# Altium PCB NG2092.PcbDoc (part 3 of 5)
Units mm, origin at the board's own origin, x right, y up, seen from the top; angles counter-clockwise.
Board outline 60 x 45 mm, 6 copper layers (Top Layer, Inner Layer 1, Ground 1, Inner Layer 2, Ground 2, Bottom Layer), stack 1.599 mm thick; 265 components, 220 nets, 1303 pads, 742 vias.
Unrouted connection lines stored in the file: 5.
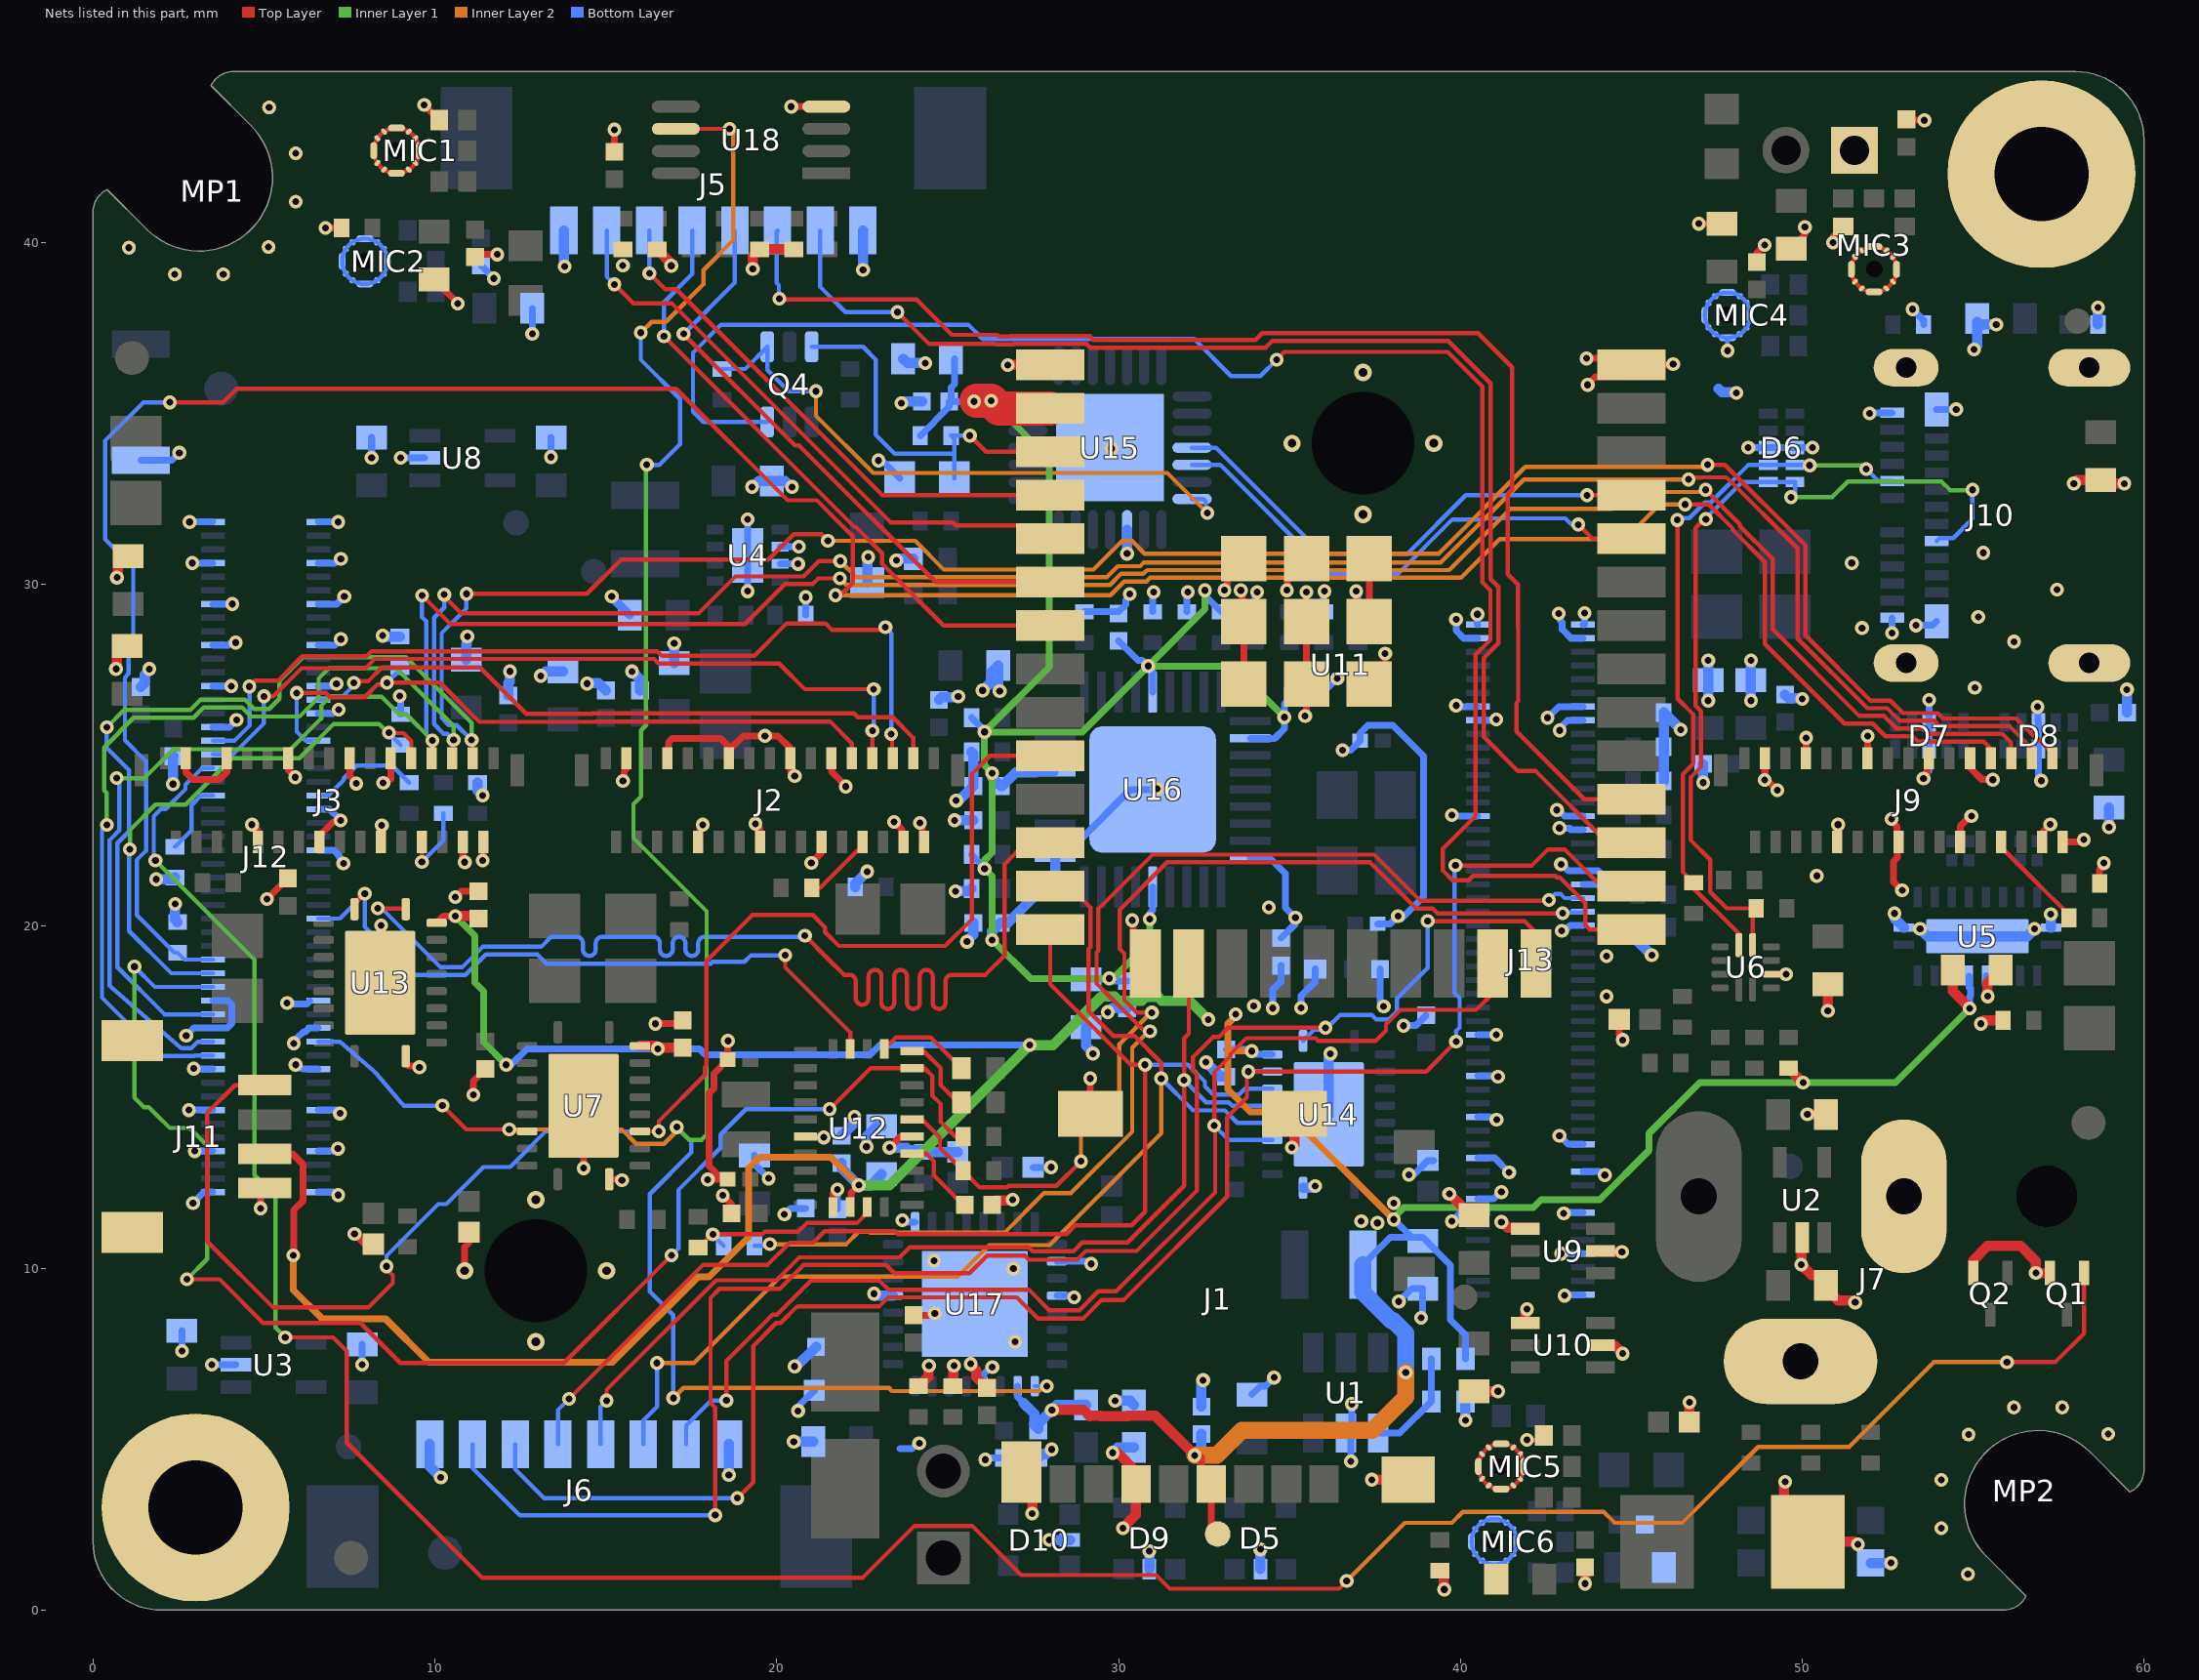
[diagram p7: the nets of this part, all layers, seen from the top]

## Via types
v1: diameter 0.406, hole 0.203, Top Layer to Bottom Layer, tented both sides, 734 vias
v2: diameter 0.508, hole 0.254, Top Layer to Bottom Layer, 8 vias

## Nets (pads, with @x,y where several pads share a name; then routed paths per layer and width w, separated by ;. In a path a pad name is that pad's centre, name@x,y a point inside that pad or via, vN(x,y) a via of type N, cw(c..) or ccw(c..) an arc to the next point about the centre after c; other vN are vias at no path point) (continued)
3V3: C16.1 C35.2 C42.2 C44.2 C49.2 C50.2 C53.2 C55.2 C56.2 C73.2 C79.2 C80.2 C81.2 C82.2 C83.2 C84.2 C85.2 C96.2 C97.2 J1.4 J11.3 L2.2 R5.2 R13.2 R41.2 R52.1 R54.1 R64.2 TP6.1 U5.6 U7.19 U11.2 U12.3 U13.19 U14.19 U16.5 U16.10 U16.15 U16.23 U16.29 U16.36 U17.10 | length 187.4
  Top Layer w0.2: J11.3@5.025,13.35 5.825,13.35 6.15,13.025 6.15,11.975 5.875,11.7 5.875,10.391 v1(5.859,10.375) ; U13.19@10.05,20.1 10.25,20.3 v1(10.6,20.3) ; U12.3@22.15,11.788 22.178,11.816 22.178,12.203 v1(22.4,12.425) ; v1@32.425,4.475 32.425,3.975 J1.4@32.712,3.688 32.712,2.413 TP6.1@32.9,2.225
  Top Layer w0.3: v1(10.6,20.3) 11.2,20.3 C49.2@11.275,20.225 ; U7.19@16,16.5 16.444,16.5 v1(16.525,16.419) 16.556,16.45 C53.2@17.25,16.45 ; v1(28.05,5.85) 28.975,5.85 29.15,5.675 29.15,5.678 29.465,5.678 29.475,5.668 30.271,5.668 30.281,5.678 31.077,5.678 v1(32.231,4.525) ; R13.2@49.6,15.85 v1(50.025,15.425) ; C35.2@54.4,18.725 54.4,18.101 v1(54.901,17.6)
  Top Layer w1: v1@25.85,35.375 v1(26.275,35.375) 26.502,35.147 U11.2@28,35.147
  Inner Layer 1 w0.2: v1(10.6,20.3) 11.175,19.725 11.175,18.35 11.425,18.1 11.425,16.613 v1(12.088,15.95) ; v1(26.275,35.375) 27.975,33.675 27.975,27.579 v1(26.081,25.685) ; v1(29.725,18.475) 27.425,18.475 v1(26.3,19.6) 26.3,21.466 v1(26.081,21.685) 26.081,21.931 26.3,22.15 26.3,24.475 v1(26.305,24.48) 26.081,24.704 v1(26.081,25.685) ; v1@29.84,18.475 30.915,19.55 v1(30.915,20.211) ; v1(32.529,29.825) 32.529,29.274 v1(30.867,27.612) ; v1(34.85,26.114) 33.352,27.612 v1(30.867,27.612) ; v1(38.05,11.425) 38.05,11.478 38.344,11.772 42.133,11.772 42.364,12.003 44.076,12.003 45.525,13.452 45.525,13.951 46.999,15.425 v1(50.025,15.425) 52.726,15.425 v1(54.901,17.6) ; v1(26.081,25.685) 28.94,25.685 v1(30.867,27.612)
  Inner Layer 1 w0.3: v1(22.4,12.425) 23.3,12.425 v1(27.4,16.525) 28.084,16.525 29.501,17.942 29.876,17.942 29.993,17.825 30.684,17.825 30.787,17.928 31.163,17.928 31.266,17.825 32.075,17.825 v1(32.625,17.275)
  Inner Layer 2 w0.2: v1(5.859,10.375) 5.859,9.366 6.7,8.525 8.55,8.525 9.825,7.25 15.2,7.25 17.7,9.75 18.025,9.75 19.175,10.9 19.175,12.925 19.5,13.25 21.575,13.25 v1(22.4,12.425) ; v1(33.425,17.425) 33.425,17.375 33.2,17.15 33.2,16.4 ; v1(33.9,16.35) 33.25,16.35 33.2,16.4 ; v1(38.05,11.425) 34.9,14.575 33.85,14.575 33.2,15.225 33.2,16.4
  Inner Layer 2 w0.5: v1(32.231,4.525) 32.875,4.525 33.6,5.25 37.425,5.25 38.4,6.225 v1(38.4,6.95)
  Bottom Layer w0.2: v1(12.088,15.95) 12.225,15.95 12.694,16.419 v1(16.525,16.419) 17.744,16.419 17.915,16.247 22.737,16.247 23.015,16.525 v1(27.4,16.525) ; R41.2@24.2,34.35 25.05,35.2 C55.2@25.05,35.35 ; C56.2@25.2,36.6 25.2,35.86 25.1,35.76 25.1,35.35 v1@25.825,35.35 ; R52.1@25.7,22.1 26.081,21.719 v1(26.081,21.685) ; R54.1@25.7,26.1 26.081,25.719 v1(26.081,25.685) ; U17.10@27.05,6.55 27.05,6.233 27.166,6.117 27.166,6.111 27.216,6.061 ; U16.15@27.575,24.5 U16.15@28.15,24.5 ; C79.2@29.05,18.45 v1@29.725,18.45 ; v1(29.725,18.475) 29.8,18.4 C80.2@30.25,18.4 ; C83.2@30,28.35 30.575,27.775 30.704,27.775 v1(30.867,27.612) 31,27.479 U16.23@31,26.85 ; v1(30.915,20.211) 30.915,20.385 31,20.47 U16.5@31,21.15 ; v1(32.529,29.825) 32.529,29.671 R64.2@33,29.2 ; C50.2@33.15,16.4 33.85,16.4 v1(33.9,16.35) 34,16.25 U14.19@34.5,16.25 ; U16.36@33.85,22 34.429,22 34.887,21.541 34.887,20.538 v1(35.175,20.25) 35.175,20.075 C81.2@34.75,19.65 ; U16.29@33.85,25.5 34.575,25.5 34.85,25.775 v1(34.85,26.114) 34.85,26.5 C82.2@35.1,26.75 ; L2.2@37.15,10.1 37.95,10.9 C16.1@38.575,10.9 ; v1(38.05,11.425) C16.1@38.575,10.9 ; R5.2@40.15,7.35 40.15,8.05 39.712,8.487 39.712,10.087 38.9,10.9 C16.1@38.575,10.9 ; U5.6@54.889,18.546 54.889,18.2 54.921,18.2 54.921,17.966 54.901,17.945 v1(54.901,17.6)
  Bottom Layer w0.3: C44.2@21.9,13.075 21.9,12.925 v1(22.4,12.425) 22.75,12.425 C42.2@23.075,12.75 ; v1(26.3,19.6) 26.3,19.85 C85.2@26.55,20.1 ; v1(26.305,24.48) 26.305,24.345 C84.2@26.55,24.1 ; C85.2@26.6,20.1 26.762,20.1 28.15,21.488 U16.10@28.15,22 ; C84.2@26.6,24.1 27,24.5 U16.15@27.575,24.5 ; 27.216,6.061 27.539,5.739 27.539,5.411 27.65,5.3 27.65,5.45 v1(28.05,5.85) 28.2,6 C96.2@29.05,6 ; v1(32.231,4.525) 32.231,4.554 32.425,4.748 C73.2@32.425,5.15
  Bottom Layer w0.5: L2.2@37.15,10.1 37.15,9.293 37.971,8.472 38.028,8.472 38.4,8.1 v1(38.4,6.95)
  other v1: 37.575,11.325 37.1,11.375 38.05,11.9 25.775,35.35
2485_PGOOD: J12.37 Q1.1 | length 82.9
  Top Layer w0.125: v1(5.622,7.975) 7.025,7.975 7.425,7.575 7.425,4.9 11.375,0.95 22.52,0.95 24.033,2.463 25.717,2.463 27.155,1.025 31.1,1.025 31.5,0.625 36.45,0.625 v1(36.675,0.85) ; v1(55.991,7.25) 57.4,7.25 58.25,8.1 Q1.1@58.25,9.86
  Inner Layer 1 w0.125: v1(1.825,21.925) 4.725,19.025 4.725,12.725 5.338,12.113 5.338,8.259 v1(5.622,7.975)
  Inner Layer 2 w0.125: v1(36.675,0.85) 38.375,2.55 39.75,2.55 40.075,2.875 44.192,2.875 44.517,2.55 46.489,2.55 48.712,4.773 51.373,4.773 53.85,7.25 v1(55.991,7.25)
  Bottom Layer w0.125: v1(1.825,21.925) 1.775,21.975 1.775,23.025 1.777,23.027 1.777,23.218 1.991,23.432 2.129,23.432 2.704,24.007 2.704,24.143 3.187,24.625 J12.37@3.51,24.625
2485_WAKEUP: J12.41 R67.2 | length 2.2
  Bottom Layer w0.125: R67.2@2.4,22.325 2.881,22.806 2.881,23.548 3.158,23.825 J12.41@3.51,23.825
BNO08x_BOOTN_1V8: J13.42 R36.1 | length 35.5
  Top Layer w0.125: v1(30.921,16.929) 30.766,16.929 29.818,17.876 29.806,17.876 29.359,18.324 29.359,19.233 29.412,19.287 29.412,20.512 30.997,22.097 37.478,22.097 38.834,20.741 42.566,20.741 v1(42.595,20.77)
  Inner Layer 2 w0.125: v1(19.8,10.7) 22.033,10.7 22.399,11.066 22.701,11.066 22.733,11.034 26.659,11.034 27.825,12.2 28.611,12.2 30.4,13.989 30.4,16.45 30.879,16.929 v1(30.921,16.929)
  Bottom Layer w0.125: R36.1@19.35,10.65 19.75,10.65 v1(19.8,10.7) ; v1(42.595,20.77) 42.775,20.95 42.925,20.95 43.05,20.825 J13.42@43.59,20.825
BNO08x_BOOTN_1V8_1: R35.1 R36.2 U12.4 | length 6
  Top Layer w0.125: R35.1@17.7,10.6 18.091,10.991 v1(18.131,10.991) 19.574,10.991 19.649,11.066 20.623,11.066 20.877,11.32 22.345,11.32 22.65,11.625 U12.4@22.65,11.788
  Bottom Layer w0.125: v1@18.131,10.969 R36.2@18.45,10.65
BNO08x_INT_1V8: J12.69 R30.1 U12.14 | length 43.2
  Top Layer w0.125: v1(2.75,9.675) 3.7,9.675 4.975,8.4 7.823,8.4 8.995,7.227 13.777,7.227 v1(16.925,10.375) ; v1(21.55,14.65) 22.75,15.85 U12.14@23.962,15.85 24.325,15.85 24.55,15.625 24.55,15.05 24.8,14.8 24.8,14.275 25.225,13.85 R30.1@25.45,13.85
  Inner Layer 1 w0.125: v1(1.212,18.819) 1.212,14.988 1.492,14.708 1.63,14.708 1.831,14.507 ; 1.833,14.507 1.869,14.47 2.25,14.1 2.302,14.1 2.825,14.1 3.341,13.584 3.341,10.266 v1(2.75,9.675)
  Bottom Layer w0.125: v1(1.212,18.819) 1.806,18.225 J12.69@3.51,18.225 ; v1(16.925,10.375) 17.125,10.575 17.125,12.285 18.36,13.52 18.36,13.91 19.1,14.65 v1(21.55,14.65)
BNO08x_RSTn_1V8: J13.44 R29.1 U12.11 | length 29.6
  Top Layer w0.125: U12.11@24.25,14.35 24.775,13.825 24.775,13.525 R29.1@25.45,12.85 25.937,12.363 26.742,12.363 26.786,12.407 28.182,12.407 v1(28.9,13.125) ; v1(30.975,17.475) 30.538,17.475 30.172,17.84 30.172,19.199 30.034,19.337 30.034,20.484 31.422,21.872 37.353,21.872 38.709,20.516 39.195,20.516 39.332,20.38 v1(42.99,20.38)
  Inner Layer 2 w0.125: v1(28.9,13.125) 28.9,13.985 30.025,15.11 30.025,16.55 30.95,17.475 v1(30.975,17.475)
  Bottom Layer w0.125: v1(42.99,20.38) 43.013,20.402 43.567,20.402 J13.44@43.59,20.425
CAM_A_CLK_OUT: J2.3 J12.28 | length 19.3
  Top Layer w0.125: v1(7.627,27.118) 7.676,27.167 8.045,27.167 8.447,27.569 11.321,27.569 12.674,26.216 14.613,26.216 14.624,26.227 22.262,26.227 22.374,26.116 23.394,26.116 24,25.51 J2.3@24,24.916
  Bottom Layer w0.125: J12.28@6.59,26.625 6.85,26.625 6.938,26.713 7.298,26.713 7.386,26.801 7.386,26.808 7.627,27.049 v1(7.627,27.118)
CAM_A_PWDN_N: J2.9 J12.34 R27.1 | length 20
  Top Layer w0.125: v1(5.957,26.825) 6.808,26.825 6.932,26.701 7.948,26.701 8.322,27.075 v1@8.474,27.075 ; v1(8.6,27.125) 10.15,27.125 11.297,25.978 14.711,25.978 14.723,25.99 21.56,25.99 22.2,25.35 J2.9@22.2,24.916
  Bottom Layer w0.125: v1(5.957,26.825) 5.957,25.693 6.225,25.425 J12.34@6.59,25.425 ; v1(8.6,27.125) 8.975,27.5 R27.1@8.975,27.575
CAM_B_CLK_OUT: J3.3 J9.3 J12.73 | length 84.1
  Top Layer w0.125: v1(10.925,29.725) 14.449,29.725 15.449,30.725 19.758,30.725 20.499,31.466 21.309,31.466 v1(21.5,31.275) ; v1(11.075,25.45) 11.112,25.413 J3.3@11.112,24.916 ; v1(47.232,33.497) 47.739,33.497 50.091,31.145 50.091,28.509 51.997,26.603 52.58,26.603 52.949,26.234 53.966,26.234 54.122,26.078 56.258,26.078 56.746,25.591 56.789,25.591 57.312,25.067 J9.3@57.312,24.916
  Inner Layer 1 w0.125: v1(0.403,25.825) 0.906,26.328 2.844,26.328 3.144,26.629 4.443,26.629 4.712,26.359 5.151,26.359 5.45,26.658 5.45,27.175 6.15,27.875 9.15,27.875 11.075,25.95 v1(11.075,25.45)
  Inner Layer 2 w0.125: v1(21.5,31.275) 24.051,31.275 24.892,30.434 29.267,30.434 30.099,31.266 30.401,31.266 30.767,30.9 39.367,30.9 41.901,33.435 46.882,33.435 46.89,33.443 47.178,33.443 v1(47.232,33.497)
  Bottom Layer w0.125: v1(0.403,25.825) 0.4,25.825 0.4,25.221 1.056,24.565 1.056,22.776 0.712,22.432 0.712,18.801 2.089,17.425 J12.73@3.51,17.425 ; v1(10.925,29.725) 10.925,29.3 10.2,28.575 10.2,26.095 10.408,25.887 10.638,25.887 v1(11.075,25.45)
CAM_B_D_PWM: J9.9 J12.65 R49.1 | length 83.2
  Top Layer w0.125: v1(2.25,35.325) 3.8,35.325 4.2,35.725 17.058,35.725 20.323,32.459 21.175,32.459 21.405,32.23 21.475,32.159 21.592,32.042 21.8,31.834 21.892,31.742 22.224,31.41 22.224,30.055 22.212,30.044 22.212,30.024 21.998,29.809 21.978,29.809 21.853,29.684 v1(21.721,29.684) ; v1(46.575,32.337) 47.269,32.337 47.959,31.647 47.959,31.605 48.909,30.655 48.909,28.258 51.239,25.928 52.064,25.928 52.432,25.559 53.23,25.559 53.386,25.403 55.31,25.403 55.512,25.201 J9.9@55.512,25.091
  Inner Layer 2 w0.125: v1(21.721,29.684) 29.767,29.684 30.167,30.084 30.817,30.084 30.927,30.194 40.019,30.194 41.154,31.329 44.827,31.329 45.836,32.337 v1(46.575,32.337)
  Bottom Layer w0.125: v1(2.25,35.325) 1.475,35.325 0.35,34.2 0.35,31.325 1.175,30.5 1.175,28.525 1.041,28.391 1.041,27.391 0.977,27.327 0.977,27.316 0.934,27.273 0.934,25.441 1.55,24.825 1.55,22.207 1.278,21.935 1.278,20.33 2.383,19.225 R49.1@2.475,19.225 2.675,19.025 J12.65@3.51,19.025
CAM_B_PWDN_N: J3.9 J12.67 R2.1 | length 16.7
  Top Layer w0.125: v1(8.659,25.663) 8.672,25.65 9.075,25.65 9.312,25.413 J3.9@9.312,24.916
  Inner Layer 1 w0.125: v1(1.078,22.252) 1.078,22.811 1.824,23.557 2.71,23.557 4.065,24.912 6.037,24.912 7.043,25.918 8.362,25.918 8.617,25.663 v1(8.659,25.663)
  Bottom Layer w0.125: v1(1.078,22.252) 1.053,22.227 1.053,19.862 2.29,18.625 J12.67@3.51,18.625 ; v1(8.659,25.663) 8.659,25.641 R2.1@9,25.3
CAP: C46.1 U12.9 | length 2.4
  Top Layer w0.125: U12.9@23.962,13.35 24.375,13.35 24.6,13.125 24.6,12.712 25.202,12.11 25.202,12.097 25.375,11.925 25.45,11.85 C46.1@25.5,11.85
CC1: D6.4 D6.7 J10.A5 R18.2 U6.2 | length 20.6
  Top Layer w0.127: v1(46.35,31.884) 46.35,26.66 46.817,26.194 46.817,24.756 46.506,24.446 46.506,21.594 R18.2@46.825,21.275 46.825,21.106 48.15,19.781 U6.2@48.15,19.45
  Inner Layer 1 w0.125: v1(50.22,33.481) 51.769,33.481 v1(51.875,33.375)
  Bottom Layer w0.125: D6.4@49.79,33.5 50.22,33.5 v1(50.22,33.481)
  Bottom Layer w0.127: v1(46.35,31.884) 46.403,31.937 46.693,31.937 47.155,32.399 47.327,32.399 48.428,33.5 D6.7@49.01,33.5 D6.4@49.79,33.5 ; v1(51.875,33.375) 52.23,33.02 J10.A5@52.63,33.02
CC2: D6.5 D6.6 J10.B5 R19.2 U6.1 | length 25.5
  Top Layer w0.127: v1(47.182,31.907) 47.141,31.907 46.883,31.65 46.883,26.448 47.044,26.288 47.044,24.662 46.733,24.352 46.733,22.525 47.311,21.947 47.311,21.007 47.794,20.525 R19.2@48.65,20.525 48.55,20.425 U6.1@48.55,19.45
  Inner Layer 1 w0.125: v1(49.675,32.55) 50.875,32.55 51.334,33.009 54.072,33.009 54.325,32.757 54.971,32.757 v1(54.982,32.768)
  Bottom Layer w0.125: v1(49.675,32.55) 49.79,32.665 D6.5@49.79,33
  Bottom Layer w0.127: v1(47.182,31.907) 47.182,31.936 47.417,32.172 47.421,32.172 48.249,33 D6.6@49.01,33 D6.5@49.79,33 ; J10.B5@53.93,31.27 54.016,31.357 54.417,31.357 54.982,31.922 v1(54.982,32.768)
COM_AUX_IO2: J12.42 R4.1 | length 3.3
  Bottom Layer w0.125: J12.42@6.59,23.825 6.877,23.825 7.334,24.282 7.334,24.326 7.708,24.7 8.75,24.7 R4.1@9.25,24.2
DTR: Q4.1 R43.1 U15.28 | length 18.1
  Inner Layer 2 w0.125: v1(21.15,35.65) 21.15,34.933 22.824,33.259 31.428,33.259 v1(32.6,32.087)
  Bottom Layer w0.125: R43.1@18.4,36.3 19.075,36.3 Q4.1@19.725,36.95 19.725,36.275 20.35,35.65 v1(21.15,35.65) ; U15.28@32.15,32.5 32.475,32.5 32.556,32.419 32.556,32.131 v1(32.6,32.087)
EN: C57.2 Q4.3 R41.1 U11.3 | length 11.1
  Top Layer w0.125: v1(25.65,34.35) 26.122,33.877 U11.3@28,33.877
  Bottom Layer w0.125: Q4.3@21.025,36.95 22.525,36.95 22.9,36.575 22.9,34.375 23.45,33.825 25.2,33.825 ; C57.2@25.2,33.1 25.2,33.825 ; v1(25.65,34.35) 25.2,34.35 R41.1@25.1,34.35 25.2,34.25 25.2,33.825
ENV_SCL: R37.2 U12.15 | length 2.4
  Top Layer w0.125: U12.15@23.962,16.35 24.3,16.35 24.8,15.85 24.8,15.35 25.3,14.85 R37.2@25.4,14.85
ENV_SDA: R38.2 U12.16 | length 2.8
  Top Layer w0.125: U12.16@23.15,16.413 23.487,16.75 24.5,16.75 R38.2@25.4,15.85
ESP_GPI34: J5.4 U11.6 | length 17.4
  Top Layer w0.127: v1(17.275,37.325) 20.538,34.062 20.657,34.062 24.651,30.067 U11.6@28,30.067
  Bottom Layer w0.127: v1(17.275,37.325) 18.775,38.825 J5.4@18.775,40.35
ESP_GPI35: J5.5 U11.7 | length 18.4
  Top Layer w0.127: v1(16.7,37.254) 22.277,31.677 22.317,31.677 23.079,30.915 23.079,30.602 24.884,28.797 U11.7@28,28.797
  Bottom Layer w0.127: v1(16.7,37.254) 16.7,38.25 17.525,39.075 J5.5@17.525,40.35
ESP_GPI36: J5.6 U11.4 | length 15.7
  Top Layer w0.125: v1(16.275,39.1) 16.738,38.637 17.062,38.637
  Top Layer w0.127: 17.062,38.637 23.092,32.607 U11.4@28,32.607
  Bottom Layer w0.125: v1(16.275,39.1) J5.6@16.275,40.35
ESP_GPI39: J5.7 U11.5 | length 17.5
  Top Layer w0.127: v1(15.25,38.775) 15.8,38.225 16.925,38.225 23.333,31.817 25.152,31.817 25.245,31.724 27.613,31.724 U11.5@28,31.337
  Bottom Layer w0.127: J5.7@15.025,40.35 15.025,39 v1(15.25,38.775)
ESP_GPIO0: Q4.6 U11.25 | length 50.3
  Top Layer w0.125: v1(34.625,36.575) 34.85,36.8 39.627,36.8 40.648,35.779 40.648,30.053 40.878,29.823 40.878,28.379 40.445,27.946 40.445,23.225 39.491,22.271 39.491,21.627 39.772,21.347 40.243,21.347 40.371,21.475 42.779,21.475 42.817,21.437 42.902,21.437 43.653,20.685 43.653,20.029 43.775,19.907 U11.25@45,19.907
  Bottom Layer w0.125: Q4.6@19.725,34.75 17.85,34.75 17.55,35.05 17.55,36.775 18.372,37.597 25.603,37.597 26.025,37.175 32.215,37.175 33.293,36.097 34.147,36.097 v1(34.625,36.575)
ESP_GPIO2_D0: J6.2 U11.24 U14.20 | length 49.2
  Top Layer w0.125: v1(18.2,2.775) 18.2,5.919 18.064,6.055 18.064,9.13 18.332,9.398 20.094,9.398 20.789,10.094 23.198,10.094 23.442,9.85 25.638,9.85 26.15,10.363 27.267,10.363 27.383,10.247 28.787,10.247 29.043,10.503 30.528,10.503 32.296,12.271 32.296,15.654 32.182,15.768 32.182,16.18 32.761,16.759 32.934,16.759 33.206,17.031 v1(36.05,17.031) ; v1(39.044,20.151) v1(39.044,20.151) 39.05,20.142 41.883,20.142 42.215,19.81 U11.24@42.215,18.907
  Bottom Layer w0.125: J6.2@11.1,4.85 11.1,4.16 12.485,2.775 v1(18.2,2.775) ; U14.20@35.4,16.65 35.728,16.978 35.996,16.978 v1(36.05,17.031) 36.106,17.031 36.481,17.406 37.41,17.406 37.536,17.28 37.916,17.28 38.142,17.506 38.142,17.883 39.044,18.784 v1(39.044,20.151)
ESP_GPIO4_D1: J6.3 U11.26 U14.18 | length 50.5
  Top Layer w0.125: v1(18.85,3.275) 19.312,3.738 19.312,7.72 19.987,8.394 20.115,8.394 20.608,8.888 23.001,8.888 23.261,9.148 27.024,9.148 27.649,8.522 28.96,8.522 29.51,9.072 30.157,9.072 33.178,12.093 33.178,14.416 33.756,14.993 v1@33.756,15.75 ; v1(33.8,15.75) 39,15.75 v1(39.875,16.625) ; v1(39.857,21.779) 42.091,21.779 42.562,22.25 43.05,22.25 44.123,21.177 U11.26@45,21.177
  Bottom Layer w0.125: J6.3@12.35,4.85 12.35,4.125 13.2,3.275 v1(18.85,3.275) ; v1(33.8,15.75) U14.18@34.5,15.75 ; v1(39.857,21.779) 39.825,21.747 39.825,18.05 39.979,17.896 39.979,17.039 39.88,16.941 ; v1(39.875,16.625) 39.88,16.63 39.88,16.941 ; 39.875,16.9 39.875,16.936 39.88,16.941
ESP_GPIO12_D2: J6.4 U11.14 U14.17 | length 34.5
  Top Layer w0.125: v1(13.925,6.175) 17.85,10.1 19.735,10.1 20.382,10.747 21.068,10.747 21.4,11.078 23.462,11.078 23.543,10.997 28.476,10.997 28.733,11.253 30.378,11.253 30.778,11.653 30.778,14.473 30.775,14.477 v1(30.775,15.95) 30.357,15.95 28,18.307 U11.14@28,19.907
  Bottom Layer w0.125: J6.4@13.6,4.85 13.6,5.85 v1(13.925,6.175) ; v1(30.775,15.95) 32.032,15.95 32.528,15.454 32.528,15.322 32.773,15.077 33.527,15.077 33.7,15.25 U14.17@34.5,15.25
ESP_GPIO13_D3: J6.5 U11.16 U14.16 | length 30.6
  Top Layer w0.125: v1(15.025,6.125) 15.025,6.445 18.228,9.648 19.99,9.648 20.661,10.319 23.6,10.319 23.893,10.613 27.371,10.613 27.486,10.497 28.683,10.497 28.94,10.753 30.261,10.753 31.918,12.409 v1(31.918,15.498) 31.918,16.723 32.055,16.861 U11.16@32.055,18.907
  Bottom Layer w0.125: J6.5@14.85,4.85 14.85,5.95 v1(15.025,6.125) ; v1(31.918,15.498) 32.563,14.852 33.223,14.852 33.325,14.75 U14.16@34.5,14.75
ESP_GPIO14_CLK: J6.6 U11.13 U14.15 | length 33.2
  Top Layer w0.125: U11.13@28,21.177 28.55,21.177 29.175,20.552 29.175,19.385 29.122,19.332 29.122,17.521 29.853,16.79 30.47,16.79 31.25,16.01 v1(31.25,15.547)
  Inner Layer 2 w0.125: v1(16.5,7.225) 17.58,7.225 20.105,9.75 25.298,9.75 26.223,10.675 27.979,10.675 31.25,13.946 v1(31.25,15.547)
  Bottom Layer w0.125: J6.6@16.1,4.85 16.1,5.55 16.5,5.95 v1(16.5,7.225) ; v1(31.25,15.547) 32.182,14.615 33.11,14.615 33.475,14.25 U14.15@34.5,14.25
ESP_GPIO15_CS0: J6.7 U11.23 U14.14 | length 35.8
  Top Layer w0.125: v1(18.53,6.13) 18.53,7.291 19.883,8.644 20.012,8.644 20.999,9.631 23.007,9.631 23.266,9.373 27.371,9.373 27.971,8.772 28.857,8.772 29.407,9.322 29.931,9.322 32.825,12.216 32.825,14.175 32.8,14.2 32.8,15.728 33.272,16.199 33.272,16.257 33.743,16.728 35.762,16.728 35.837,16.653 36.887,16.653 36.89,16.65 37.525,16.65 37.825,16.95 37.825,17.129 38.253,17.557 40.465,17.557 40.945,18.037 U11.23@40.945,18.907
  Bottom Layer w0.125: J6.7@17.35,4.85 17.35,5.4 18.08,6.13 v1(18.53,6.13) ; v1(32.8,14.175) 33.225,13.75 U14.14@34.5,13.75
ESP_GPIO16: J5.2 U11.27 | length 38.8
  Top Layer w0.127: v1(23.531,37.962) 24.462,37.031 26.398,37.031 26.406,37.023 26.924,37.023 26.932,37.031 29.068,37.031 29.163,36.935 29.163,36.925 34.3,36.925 34.498,37.123 39.641,37.123 40.887,35.878 40.887,30.152 41.117,29.922 41.117,28.28 40.683,27.847 40.683,25.539 41.685,24.537 42.206,24.537 44.296,22.447 U11.27@45,22.447
  Bottom Layer w0.127: J5.2@21.275,40.35 21.275,38.7 22.012,37.962 v1(23.531,37.962)
ESP_GPIO17: J5.3 U11.28 | length 39.5
  Top Layer w0.127: v1(20.075,38.359) 20.105,38.329 24.096,38.329 25.125,37.3 26.45,37.3 26.5,37.25 26.83,37.25 26.838,37.258 29.162,37.258 29.268,37.152 34.006,37.152 34.204,37.35 40.519,37.35 41.516,36.353 41.516,32.782 41.383,32.649 41.383,30.295 41.683,29.995 41.683,28.723 41.692,28.715 41.692,26.58 41.642,26.53 41.642,26.495 41.639,26.492 41.639,26.298 41.642,26.295 41.642,25.702 43.626,23.717 U11.28@45,23.717